# Altium PCB core.PcbDoc (continued)
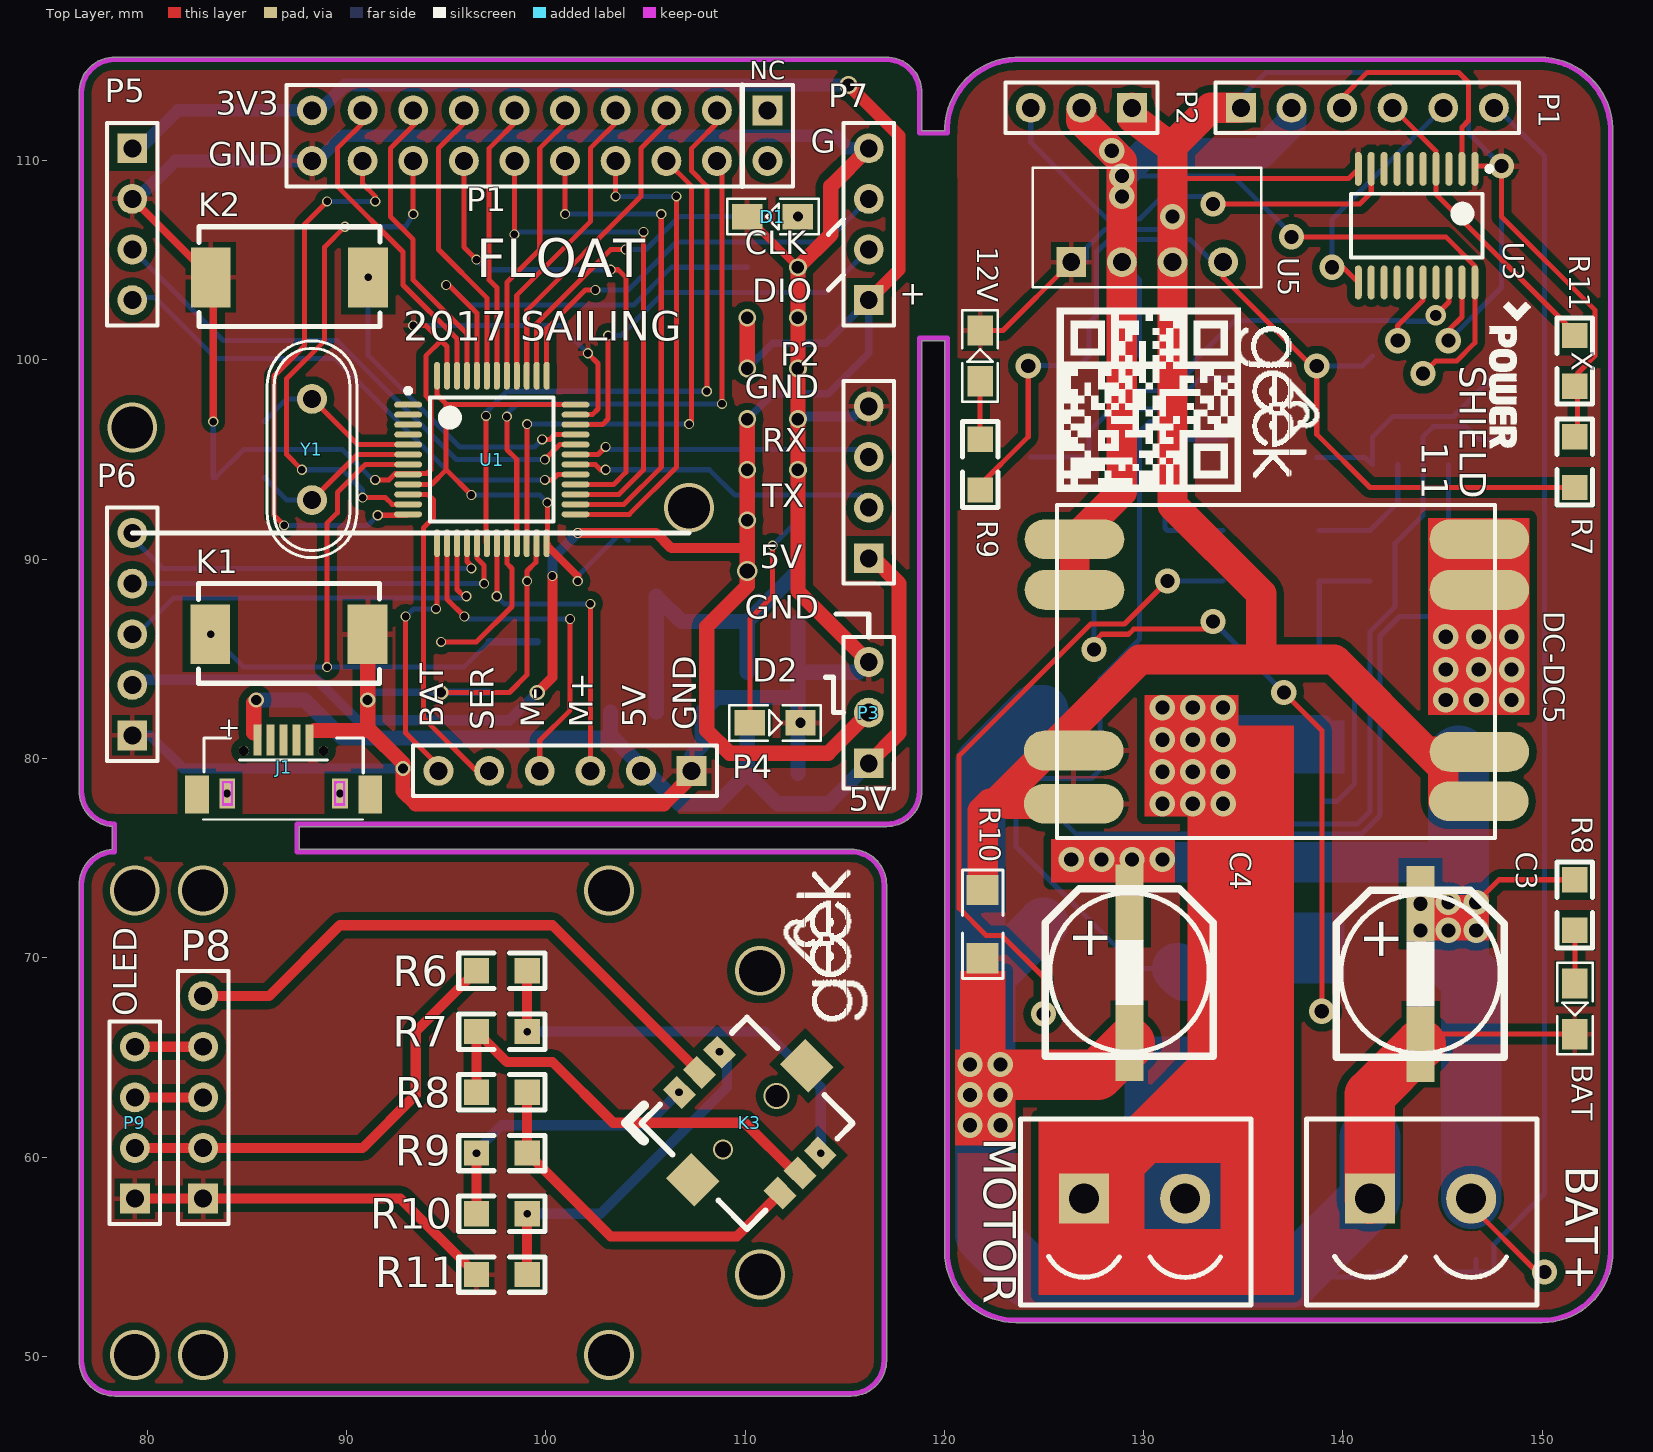
[diagram p0: Top Layer view]
## Nets (pads, with @x,y where several pads share a name; then routed paths per layer and width w, separated by ;. In a path a pad name is that pad's centre, name@x,y a point inside that pad or via, vN(x,y) a via of type N, cw(c..) or ccw(c..) an arc to the next point about the centre after c; other vN are vias at no path point) (continued)
  Top Layer w0.254: v1(99.822,96.012) 100.203,96.012 100.441,96.25 U1.33
  Bottom Layer w0.254: v1(91.085,104.14) 91.085,100.229 95.683,95.631 99.441,95.631 v1(99.822,96.012)
A15: R4.1@110.109,107.188 U1.38 | length 15.4
  Top Layer w0.254: U1.38 99.541,101.827 103.251,105.537 v1(104.013,105.537)
  Bottom Layer w0.254: v1(104.013,105.537) 105.029,105.537 106.68,107.188 R4.1@110.109,107.188
AGND: BAT+.1 BAT.2 C3.2@143.891,65.659 C4.2@129.286,65.72 Q2.3 Q4.3 R6.1@142.621,54.229 R10.2@121.92,69.977 | length 87.7
  Top Layer w0.254: C3.2@143.891,65.659 144.399,66.167 BAT.2 BAT.2@151.765,66.167
  Top Layer w2.54: 121.92,64.135 127.701,64.135 C4.2@129.286,65.72 ; BAT+.1 141.351,63.119 C3.2@143.891,65.659
  Bottom Layer w0.254: 137.414,53.975 141.478,53.975 141.732,54.229 R6.1@142.621,54.229
  Bottom Layer w2.54: Q2.3 122.047,68.834 121.793,68.58 121.793,79.756 124.46,82.423 Q4.3
  Bottom Layer w3.048: 122.047,68.834 122.047,63.119 122.047,56.134 124.206,53.975 137.414,53.975 BAT+.1 141.351,60.96
  other v2: 121.285,61.595 122.809,61.595 121.285,63.119 122.809,63.119 121.285,64.643 122.809,64.643
B0: P1.3@108.585,112.522 U1.18 | length 33.2
  Top Layer w0.254: v1(96.996,97.187) 96.996,90.845 U1.18 ; v1(108.077,98.425) 108.077,108.712 107.315,109.474 107.315,110.617 108.839,112.141 P1.3@108.839,112.522
  Bottom Layer w0.254: v1(96.996,97.187) 96.996,97.377 98.044,98.425 v1(108.077,98.425)
B1: P4.3 U1.19 | length 16.2
  Top Layer w0.254: v1(97.536,88.138) 97.541,88.143 U1.19 ; P4.3@102.235,79.121 P4.3 v1(102.235,87.757)
  Bottom Layer w0.254: v1(97.536,88.138) 97.917,87.757 v1(102.235,87.757)
B3: P1.5@106.045,112.522 U1.39 | length 16.3
  Top Layer w0.254: U1.39 99.041,102.47 104.775,108.204 104.775,110.617 106.299,112.141 P1.5@106.299,112.522
B4: P1.7 U1.40 | length 15.5
  Top Layer w0.254: U1.40 98.541,103.24 102.235,106.934 102.235,110.617 103.759,112.141 P1.7@103.759,112.522
B5: P1.9 U1.41 | length 14.6
  Top Layer w0.254: U1.41 98.041,103.883 99.695,105.537 99.695,110.617 101.219,112.141 P1.9@101.219,112.522
B6: P1.11 U1.42 | length 14.1
  Top Layer w0.254: U1.42 97.541,103.627 97.155,104.013 97.155,110.617 98.679,112.141 P1.11@98.679,112.522
B7: P1.13 U1.43 | length 15
  Top Layer w0.254: P1.13@96.139,112.522 96.139,112.141 94.615,110.617 94.615,105.537 97.041,103.111 U1.43
B8: P1.15 U1.45 | length 15.5
  Top Layer w0.254: P1.15@93.599,112.522 93.599,112.014 92.202,110.617 92.202,107.188 93.345,106.045 93.345,104.013 96.041,101.317 U1.45
B9: P1.17 U1.46 | length 16.4
  Top Layer w0.254: P1.17@91.059,112.522 91.059,112.141 89.535,110.617 89.535,108.712 92.837,105.41 92.837,103.759 95.541,101.055 U1.46
B10: P1.4@108.585,109.982 U1.21 | length 30
  Top Layer w0.254: v1(98.044,97.155) 98.044,95.504 98.541,95.007 U1.21 ; P1.4@108.585,109.982 108.839,109.728 v1(108.839,97.79)
  Bottom Layer w0.254: v1(98.044,97.155) 98.044,97.282 98.552,97.79 v1(108.839,97.79)
B11: P1.6@106.045,109.982 U1.22 | length 27.9
  Top Layer w0.254: U1.22 99.06,90.819 v1(99.06,96.774) ; P1.6@106.045,109.982 107.315,108.712 107.315,96.901 v1(107.188,96.774)
  Bottom Layer w0.254: v1(99.06,96.774) v1(107.188,96.774)
B12: P1.8 U1.25 | length 24.5
  Top Layer w0.254: U1.25 104.188,92.25 106.553,94.615 v1(106.553,108.204) ; v1(103.505,108.204) P1.8
  Bottom Layer w0.254: v1(103.505,108.204) v1(106.553,108.204)
B13: P1.10 U1.26 | length 25.3
  Top Layer w0.254: v1(100.965,107.315) P1.10 ; U1.26 103.926,92.75 105.791,94.615 v1(105.791,107.315)
  Bottom Layer w0.254: v1(100.965,107.315) v1(105.791,107.315)
B14: P1.12 U1.27 | length 25.9
  Top Layer w0.254: v1(98.425,106.299) P1.12@98.425,109.855 ; U1.27 103.664,93.25 104.902,94.488 v1(104.902,106.426)
  Bottom Layer w0.254: v1(98.425,106.299) 98.552,106.426 v1(104.902,106.426)
B15: P1.14 U1.28 | length 25.9
  Top Layer w0.254: P1.14@96.139,109.982 95.885,109.728 95.885,105.664 v1(96.52,105.029) ; U1.28 103.402,93.75 104.013,94.361 104.013,104.14 103.632,104.521 v1(103.251,104.521)
  Bottom Layer w0.254: v1(96.52,105.029) 97.028,104.521 v1(103.251,104.521) v1@103.378,104.521
BAT: BAT+.2 C3.1@143.891,72.71 C4.1@129.286,72.771 DC-DC5.7 DC-DC5.8 Q1.1 Q3.1 R5.2@150.114,54.229 R8.1@151.638,73.914 | length 52.9
  Top Layer w0.254: BAT+.2 146.431,57.531 149.733,54.229 v2(150.114,54.229) ; v2(146.685,72.771) 147.828,73.914 151.638,73.914 R8.1@151.765,73.914
  Bottom Layer w2.032: v2@126.365,74.803 130.937,74.803 145.796,74.803
  Bottom Layer w3.048: Q3.1 145.796,74.803 145.796,72.71 Q1.1 146.431,68.961 BAT+.2
  other v2: 143.891,71.374 145.288,71.374 146.685,71.374 143.891,72.71 145.288,72.771 126.365,74.93 127.889,74.93 129.413,74.93 130.937,74.93 145.161,82.931 146.685,82.931 148.463,82.931 145.161,84.455 146.812,84.455 148.463,84.455 145.161,86.106 146.812,86.106 148.463,86.106
BAT_AD: P1.6@147.574,112.649 R5.1@147.574,54.229 R6.2@145.161,54.229 | length 64.1
  Bottom Layer w0.254: R6.2@145.161,54.229 146.685,54.229 ; 146.685,54.864 146.685,54.229 ; P1.6@147.574,113.157 147.574,112.776 150.114,110.236 150.114,58.166 147.574,55.626 147.574,54.229 146.685,54.229
CLK: P7.3 U1.37 | length 21.2
  Top Layer w0.254: U1.37 100.041,101.565 101.981,103.505 v1(102.489,103.505)
  Bottom Layer w0.254: v1(102.489,103.505) 104.14,103.505 106.553,105.918 114.046,105.918 P7.3
DGND: 12V.2 DC-DC5.3 DC-DC5.4 DC-DC5.5 DC-DC5.6 P1.1@134.874,112.649 P2.1@129.413,112.649 R7.1@151.638,96.139 R10.1@121.92,73.397 R11.1@151.638,98.679 U1.4@131.064,100.203 U2.4 U3.1 U3.10 U3.19 U5.1 U5.3 | length 150.4
  Top Layer w0.254: 12V.2@121.539,101.473 12V.2 122.936,101.473 U5.1 ; 131.445,109.093 140.275,109.093 U3.10 ; v2(145.288,100.965) 145.288,101.473 145.968,102.153 U3.19 ; U3.1 146.76,109.728 v2(147.955,109.728) 147.955,107.188 152.654,102.489 152.654,100.203 151.765,99.314 R7.1@151.765,96.139
  Top Layer w1.524: R10.1@121.92,73.397 121.92,77.343 122.301,77.724 122.555,77.724 129.794,84.963 135.89,84.963 ; 123.19,77.724 DC-DC5.4 ; P2.1@129.413,112.649 129.413,112.141 131.445,110.617 131.445,109.093 v2(131.445,107.188) U5.3 131.445,92.71 135.89,88.265 135.89,84.963 ; 131.636,110.934 133.35,112.649 P1.1@134.874,112.649 ; DC-DC5.5 145.034,77.851 145.034,79.502 144.208,80.328 ; DC-DC5.6 144.208,80.328 ; 135.89,84.963 139.573,84.963 144.208,80.328
  Bottom Layer w0.254: U5.1 127.127,104.902 127.127,105.62 128.06,106.553 130.81,106.553 v2(131.445,107.188) ; U1.4@131.127,101.155 131.445,101.473 U5.3 ; P1.1@134.874,112.649 134.874,113.157 136.144,114.427 145.796,114.427 146.304,113.919 146.304,111.379 v2(147.955,109.728) 147.955,103.632 v2(145.288,100.965)
DIO: P7.2 U1.34 | length 20.8
  Top Layer w0.254: U1.34 102.846,96.75 103.124,97.028 v1(103.124,101.219)
  Bottom Layer w0.254: v1(103.124,101.219) 103.759,101.219 105.918,103.378 114.046,103.378 P7.2
GND: C1.1@83.312,96.901 C2.1@83.312,94.107 C3.1@97.155,83.312 C4.1@112.649,79.248 C5.1 C6.1 C7.1 C8.1 C9.1 C10.1 C11.1 C12.1 D1.2@110.109,107.188 D2.2@112.776,81.788 J1.5 K1.1 K2.2 P1.20 P2.4 P3.3 P4.1 P5.2 P6.1 P7.4 R1.1@112.649,104.648 R3.2@94.742,83.312 U1.8@93.091,94.25 U1.23 U1.35 U1.47 U2.1@107.837,82.338 | length 205.8
  Top Layer w0.254: v1(91.44,93.98) 92.128,93.98 92.443,94.295 94.041,94.295 94.234,94.488 94.234,97.941 93.98,98.195 93.98,100.203 94.742,100.965 ; v1(93.345,101.727) 93.98,101.727 94.742,100.965 ; v5(94.742,83.312) 98.171,83.312 99.06,84.201 v1(99.06,88.9) 99.06,89.408 99.496,89.844 99.496,90.755 U1.23 ; U1.47 95.041,100.666 94.742,100.965 ; U1.35 102.33,97.25 102.616,97.536 102.616,99.822 v1(102.108,100.33)
  Top Layer w0.381: P5.2 K2.2 ; v1(83.312,96.901) K2.2@83.312,104.013 ; D1.2@110.109,107.188 v3(112.649,104.648)
  Top Layer w0.635: P5.2@79.121,108.077 P5.2 ; K2.2 K2.2@83.312,104.013
  Top Layer w0.762: 88.392,81.407 91.186,81.407 ; K1.1 v5(91.059,82.931) 91.059,81.534 91.186,81.407 ; P4.1@107.315,79.121 105.918,77.724 93.472,77.724 92.837,78.359 v5(92.837,79.502) 92.837,79.756 91.186,81.407 ; P3.3 112.649,88.392 v3(112.649,94.488) v3(112.649,97.028) v3(112.649,99.568) v3(112.649,102.108) v3(112.649,104.648) 114.3,106.299 114.3,108.712 P7.4
  Bottom Layer w0.254: v1(83.312,96.901) 83.312,94.107 83.439,94.107 84.836,95.504 89.789,95.504 91.313,93.98 v1(91.44,93.98) ; v1(93.345,101.727) 100.711,101.727 v1(102.108,100.33)
  Bottom Layer w0.381: v5(91.059,82.931) 91.44,83.312 v5(94.742,83.312) C3.1@97.155,83.312
  Bottom Layer w0.508: P6.1@78.994,81.153 P6.1 80.137,81.153 81.788,79.502 v5(92.837,79.502) ; v3(112.649,97.028) 112.776,97.155 115.443,97.155 115.951,97.663 P2.4
  Bottom Layer w0.635: P5.2@79.184,108.14 79.566,108.14 81.407,109.982 P1.20 88.519,109.982 89.789,111.252 114.554,111.252 115.189,110.617 P7.4
  Bottom Layer w0.762: P4.1@107.315,79.121 P4.1 107.315,80.123 107.837,80.645 107.837,82.338 108.557,83.058 112.649,83.058 ; C4.1@112.649,79.248 C5.1 112.649,83.058 ; C7.1 C6.1 ; P3.3 115.697,84.328 C6.1 ; 112.649,83.058 C6.1
  other v5: 112.776,81.788
HO_A_1: D3.2 R1.1@127.508,91.44 U1.7@128.524,94.742 | length 6.4
  Bottom Layer w0.254: D3.2 127.508,91.44 128.524,92.456 U1.7@128.524,94.742
HO_A_2: D5.2 R3.2@138.811,91.44 U2.7 | length 6.4
  Bottom Layer w0.254: R3.2@138.811,91.44 D5.2 142.748,92.837 U2.7
LO_A_1: D4.2 R2.1@133.985,91.44 U1.5@131.064,94.742 | length 6.1
  Bottom Layer w0.254: U1.5@131.064,94.742 131.064,91.567 D4.2 R2.1@133.985,91.44
LO_A_2: D6.2 R4.2@148.209,91.44 U2.5 | length 6.1
  Bottom Layer w0.254: U2.5 145.288,91.694 D6.2 R4.2@148.209,91.44
MOTORA1: C1.2@134.112,96.012 MOTOR.2 Q1.3 Q2.1 U1.6@129.794,94.742 | length 50.1
  Bottom Layer w0.254: Q2.1 129.699,69.469 123.587,75.581 123.587,78.994 127.381,78.994 127.818,79.431 127.818,84.003 129.794,85.979 129.794,94.742 129.794,96.393 130.302,96.901 131.064,96.901 131.953,96.012 C1.2@134.112,96.012
  Bottom Layer w0.762: Q2.1 134.112,71.882 Q1.3
  Bottom Layer w2.54: Q2.1 Q2.1@132.08,69.088
MOTORA2: C2.2@148.336,96.012 MOTOR.1 Q3.3 Q4.1 U2.6 | length 57.2
  Top Layer w2.54: MOTOR.1 133.477,64.389 133.477,81.915
  Bottom Layer w0.254: 140.716,76.708 141.351,77.343 141.351,86.36 142.621,87.63 142.621,90.805 144.018,92.202 U2.6 144.018,96.139 144.526,96.647 146.177,96.647 146.812,96.012 C2.2@148.336,96.012
  Bottom Layer w0.762: Q4.1@134.112,81.788 Q3.3@139.065,81.788
  other v2: 130.937,77.724 132.461,77.724 133.985,77.724 130.937,79.333 132.461,79.333 133.985,79.333 130.937,80.941 132.461,80.941 133.985,80.941 130.937,82.55 132.461,82.55 133.985,82.55
NetC1_1: C1.1@134.112,99.062 D1.2@124.333,95.123 U1.8@127.254,94.742 | length 12.7
  Bottom Layer w0.254: D1.2@124.333,95.123 126.873,95.123 127.254,94.742 127.254,96.393 128.397,97.536 131.318,97.536 132.844,99.062 C1.1@134.112,99.062
NetC1_2: C1.2@85.852,96.901 U1.5@93.091,95.75 Y1.2 | length 8.7
  Top Layer w0.254: Y1.2 90.559,95.75 U1.5@93.091,95.75
  Bottom Layer w0.254: C1.2@85.852,96.901 86.995,98.044 Y1.2
NetC2_1: C2.1@148.336,99.062 D2.2@138.684,95.095 U2.8 | length 12.4
  Bottom Layer w0.254: D2.2@138.684,95.095 141.125,95.095 U2.8 141.478,96.139 142.494,97.155 145.542,97.155 147.449,99.062 C2.1@148.336,99.062
NetC2_2: C2.2@85.852,94.107 U1.6@93.091,95.25 Y1.1 | length 8.7
  Top Layer w0.254: Y1.1 90.551,95.25 U1.6@93.091,95.25
  Bottom Layer w0.254: C2.2@85.852,94.107 86.995,92.964 Y1.1
NetC3_2: C3.2@97.155,85.852 K1.2 R2.2@99.568,85.852 U1.7@93.091,94.75 | length 30.7
  Top Layer w0.254: v1(89.027,84.582) 89.027,91.821 89.535,92.329 89.535,93.345 90.94,94.75 U1.7@93.091,94.75
  Bottom Layer w0.254: v1(83.185,86.233) 84.836,84.582 v1(89.027,84.582) 95.885,84.582 C3.2@97.155,85.852
  Bottom Layer w0.381: C3.2@97.155,85.852 R2.2@99.568,85.852
NetC6_2: C6.2 C7.2 F1.1 U2.2@105.537,82.338 U2.2@105.537,88.138 | length 17
  Bottom Layer w0.762: U2.2@105.537,82.338 105.537,88.138 106.807,86.868 C7.2 ; C6.2 C7.2 ; F1.1 C7.2
NetC12_2: C12.2 L1.1 U1.9 U1.24 U1.36 U1.48 | length 27.8
  Top Layer w0.254: U1.9 94.258,93.75 94.996,94.488 ; U1.48 94.541,98.245 94.996,97.79 ; v1(96.266,93.218) 94.996,94.488 ; U1.24@100.076,90.748 v1(100.076,92.837) ; U1.36 95.036,97.75 94.996,97.79 ; v1(101.6,88.9) 101.6,89.154 ; 94.996,94.488 94.996,97.79
  Top Layer w0.381: U1.24@100.076,90.748 100.076,90.678 101.6,89.154
  Bottom Layer w0.254: v1(96.266,93.218) 99.695,93.218 v1(100.076,92.837) ; v1(101.6,88.9) 101.6,89.154 103.759,91.313 L1.1@104.14,90.932
NetD1_1: D1.1@112.649,107.188 R4.2@112.649,107.188
  other v5: 112.649,107.188
NetD2_1: D2.1@110.236,81.788 R5.2@112.649,91.948 | length 11.2
  Top Layer w0.254: D2.1@110.236,81.788 110.236,86.995 111.379,88.138 v1(111.379,90.678)
  Bottom Layer w0.254: v1(111.379,90.678) R5.2@112.649,91.948
NetD3_1: D3.1 Q1.2 R1.2@127.508,88.9 | length 34.9
  Top Layer w0.254: v2(127.508,85.471) 127.508,85.852 127.889,86.233 129.242,86.233 129.496,86.487 133.477,86.487 v2(133.477,86.868) ; v2(137.033,83.312) 138.938,81.407 v2(138.938,67.31)
  Bottom Layer w0.254: D3.1 127.508,88.9 v2(127.508,85.471) ; v2(133.477,86.868) v2(137.033,83.312)
NetD4_1: D4.1 Q2.2 R2.2@133.985,88.9 | length 32
  Top Layer w0.254: v2(124.968,67.183) 124.968,69.028 122.878,71.118 122.1,71.118 120.739,72.479 120.739,80.139 127.341,86.741 129.032,86.741 v2(131.191,88.9)
  Bottom Layer w0.254: v2(131.191,88.9) R2.2@133.985,88.9
NetD5_1: D5.1 Q3.2 R3.1@138.811,88.9 | length 15.3
  Bottom Layer w0.254: Q3.2 139.7,77.851 140.589,78.74 140.589,83.439 138.811,85.217 138.811,88.9 D5.1
NetD6_1: D6.1 Q4.2 R4.1@148.209,88.9 | length 35.3
  Bottom Layer w0.254: Q4.2 126.619,76.2 140.926,76.2 141.859,77.133 141.859,86.15 142.831,87.122 145.214,87.122 145.542,87.45 D6.1 R4.1@148.209,88.9
NetD7_1: BAT.1 R8.2@151.638,71.374 | length 2.7
  Top Layer w0.254: BAT.1@151.638,68.834 151.638,71.374 R8.2@151.638,71.501
NetD8_1: 12V.1 R9.2@121.793,96.012 | length 2.9
  Top Layer w0.254: R9.2@121.793,96.012 12V.1
NetK3_1: K3.1 R8.2@99.06,63.246 R9.1@99.06,60.198 | length 18.4
  Top Layer w0.508: R8.2@99.06,63.246 99.06,60.198 103.251,56.007 109.577,56.007 K3.1
NetK3_2: K3.2 R7.2@96.52,66.294 R8.1@96.52,63.246 | length 22.2
  Top Layer w0.508: R8.1@96.52,63.246 96.52,66.294 98.044,64.77 100.33,64.77 103.378,61.722 109.982,61.722 112.51,59.194 K3.2
NetK3_3: K3.3 R6.2@99.06,69.342 R7.1@99.06,66.294 | length 22.2
  Top Layer w0.508: v1(99.06,66.294) R6.2@99.06,69.342
  Bottom Layer w0.508: v1(99.06,66.294) 110.998,66.294 113.792,63.5 v1(113.792,60.198)
NetK3_4: K3.4 R9.2@96.52,60.198 R10.1@96.52,57.15 | length 14.5
  Top Layer w0.508: R10.1@96.52,57.15 v1(96.52,60.198)
  Bottom Layer w0.508: v1(96.52,60.198) 96.52,60.325 97.79,61.595 105.029,61.595 v1(106.68,63.246)
NetK3_6: K3.6 R10.2@99.06,57.15 R11.1@99.06,54.102 | length 17.6
  Top Layer w0.508: R11.1@99.06,54.102 v1(99.06,57.15)
  Bottom Layer w0.508: v1(99.06,57.15) 102.743,57.15 109.093,63.5 109.093,64.897 v1(108.712,65.278)
NetR1_2: R1.2@110.109,104.648 U1.44 | length 21.6
  Top Layer w0.254: v1(94.996,103.759) 95.123,103.759 96.541,102.341 U1.44
  Bottom Layer w0.254: v1(94.996,103.759) 95.123,103.759 96.139,102.743 104.394,102.743 106.299,104.648 R1.2@110.109,104.648
NetR3_1: R3.1@94.742,85.852 U1.20 | length 7.6
  Top Layer w0.254: v1(94.742,85.852) 96.52,85.852 98.298,87.63 98.298,89.535 98.041,89.792 U1.20
PWM1: P1.3@139.954,112.649 U3.2 | length 12.1
  Top Layer w0.254: P1.3@139.954,112.649 139.954,113.157 141.224,114.427 145.796,114.427 146.304,113.919 146.304,112.014 145.968,111.678 U3.2
PWM2: P1.4@142.494,112.649 R11.2@151.638,101.219 U3.4 | length 15.8
  Top Layer w0.254: P1.4@142.494,113.157 142.494,112.649 144.668,110.475 U3.4 144.668,108.316 R11.2@151.765,101.219
PWM3: P1.5@145.034,112.649 U3.11 | length 12.5
  Top Layer w0.254: v2(139.446,104.648) 140.006,104.648 U3.11
  Bottom Layer w0.254: v2(139.446,104.648) 139.446,107.061 145.034,112.649 P1.5@145.034,113.157
PWM_MOTORA1: U1.2@128.524,100.203 U3.18 | length 21.6
  Top Layer w0.254: v9(144.653,102.235) 145.318,102.9 U3.18
  Bottom Layer w0.254: U1.2@128.524,100.203 128.524,98.425 128.567,98.468 131.361,98.468 132.606,99.713 132.606,100.02 134.567,101.981 143.169,101.981 143.212,101.938 144.356,101.938 v9(144.653,102.235)
PWM_MOTORA2: U2.2@142.748,100.203 U3.16 | length 3.4
  Top Layer w0.254: v2(142.748,100.965) 142.748,101.727 144.018,102.997 U3.16
PWM_SERVO: P2.3@124.333,112.649 U3.9 | length 23
  Top Layer w0.254: v2(133.477,107.823) 140.843,107.823 141.418,108.398 U3.9
  Bottom Layer w0.254: P2.3@124.333,113.157 124.333,112.649 124.333,110.906 128.178,107.061 129.794,107.061 130.937,108.204 133.096,108.204 v2(133.477,107.823)
VCC5: C4.2@110.109,79.248 C5.2 DC-DC5.1 DC-DC5.2 J1.1 P1.2@137.414,112.649 P2.1@116.205,90.043 P2.2@126.873,112.649 P3.1 P4.2 U1.3@129.794,100.203 U2.3 U3.20 U5.2 | length 122.3
  Top Layer w0.254: v2(137.414,106.172) 145.161,106.172 146.618,104.715 U3.20 146.618,100.858 145.709,99.949 144.653,99.949 v2(144.018,99.314)
  Top Layer w0.762: J1.1@85.344,81.28 85.344,82.804 v5(85.471,82.931) ; P3.1 117.729,81.28 117.729,88.773 116.459,90.043 P2.1@116.205,90.043
  Top Layer w1.524: DC-DC5.2 DC-DC5.1 128.905,93.374 U5.2 v2(128.905,108.204) v2(128.905,109.22) 128.905,109.982 v2(128.397,110.49) 126.873,112.014 P2.2@126.873,112.522
  Bottom Layer w0.254: U5.2 129.794,104.013 U1.3@129.794,100.203 ; v2(128.905,109.22) 134.493,109.22 137.541,106.172 v2(137.414,106.172)
  Bottom Layer w0.762: v5(85.471,82.931) 87.884,82.931 89.789,81.026 103.251,81.026 ; U2.3@103.237,82.338 103.251,82.324 103.251,81.026 ; C5.2 C4.2@110.109,79.248 ; P3.1 114.173,77.724 111.633,77.724 C4.2@110.109,79.248 ; 103.251,81.026 103.378,81.026 106.006,78.398 106.006,78.394 106.676,77.724 108.585,77.724 C4.2@110.109,79.248
  Bottom Layer w1.524: v2@128.143,110.744 v2(128.397,110.49) v2@128.651,110.236 ; v2(128.905,108.204) v2(128.905,109.22) 130.048,110.363 135.89,110.363 137.414,111.887 P1.2@137.414,112.649
VCC12: D1.1@124.333,99.723 D2.1@138.684,99.695 R7.2@151.638,93.599 R9.1@121.793,93.472 U1.1@127.254,100.203 U2.1@141.478,100.203 U5.4 | length 50.8
  Top Layer w0.254: R9.1@121.539,93.472 124.206,96.139 v2(124.206,99.695) ; U5.4 133.985,104.14 138.239,99.885 v2@138.748,99.885 ; v2(138.684,99.695) 138.684,96.266 141.351,93.599 151.638,93.599 R7.2@151.765,93.599
  Bottom Layer w0.254: D1.1@124.333,99.723 126.774,99.723 127.254,100.203 127.254,101.854 127.635,102.235 127.635,105.41 128.27,106.045 132.334,106.045 133.477,104.902 U5.4 ; v2(138.684,99.695) 140.97,99.695 U2.1@141.478,100.203
VCC_3.3: C8.2 C9.2 C10.2 C11.2 F1.2 L1.2 P1.19 P3.2 P5.1 P6.2 P7.1 R2.1@99.568,83.312 R5.1@110.109,91.948 | length 136.4
  Top Layer w0.254: v5(99.568,83.312) v5@99.568,83.566
  Top Layer w0.508: v5(99.568,83.312) 100.33,84.074 v1(100.33,89.154) ; v1(101.6,91.313) 105.537,91.313 106.299,90.551 110.109,90.551
  Top Layer w0.635: v3(115.189,113.792) 117.729,111.252 117.729,104.521 P7.1
  Top Layer w0.762: v3(110.109,97.028) v3(110.109,94.488) v3(110.109,91.948) 110.109,90.551 v6(110.109,89.408) 110.109,88.646 108.077,86.614 108.077,81.407 109.22,80.264 114.173,80.264 P3.2 ; v3(110.109,99.568) v3(110.109,102.108)
  Bottom Layer w0.254: v1(101.6,91.313) L1.2@101.981,91.313
  Bottom Layer w0.381: v3(110.109,97.028) 111.379,98.298 114.173,98.298 116.205,100.33 P7.1 114.046,100.838 111.379,100.838 v3(110.109,99.568)
  Bottom Layer w0.508: P6.2@78.994,83.693 P6.2 79.502,83.947 88.513,83.947 90.545,81.915 98.171,81.915 v5(99.568,83.312) ; v1(100.33,89.154) 100.33,90.043 v1(101.6,91.313)
  Bottom Layer w0.635: P5.1@79.121,110.617 P5.1 79.629,110.617 81.534,112.522 P1.19 88.646,112.522 89.916,113.792 v3(115.189,113.792)
pads on no net: J1. J1.2 J1.3 J1.4 J1.6 K3.0 P1.1@111.125,112.522 P1.2@111.125,109.982 U1.1@93.091,97.75 U1.2@93.091,97.25 U1.3@93.091,96.75 U1.4@93.091,96.25 U3.3 U3.5 U3.6 U3.7 U3.8 U3.12 U3.13 U3.14 U3.15 U3.17
copper on no net:
  other v4: 79.375,50.072 82.804,50.072 103.175,50.072 110.744,54.102 110.744,69.342 79.375,73.372 82.804,73.372 103.175,73.372 107.188,92.583 79.248,96.613
  other v7: 108.892,60.378
  other v8: 111.58,63.066

## Polygon pours and split planes (outlines as drawn)
(GND) on Top Layer "Top Layer-No Net" (solid, remove dead copper, pour order 8): 76.2,75.057 117.475,75.057 117.475,47.752 76.2,47.752
GND on Top Layer "Top Layer-No Net" (solid, remove dead copper, pour order 68): 76.2,115.57 119.38,115.57 119.38,77.216 76.2,77.216
AGND on Top Layer "Top Layer-No Net" (solid, remove dead copper, pour order 88): 120.65,115.57 153.67,115.57 153.67,51.435 120.65,51.435
DGND on Top Layer "Top Layer-No Net" (solid, remove dead copper, pour order 94): 120.65,115.57 153.67,115.57 153.67,51.435 120.65,51.435
(GND) on Bottom Layer "Top Layer-No Net" (solid, remove dead copper, pour order 10): 76.2,75.057 117.475,75.057 117.475,47.752 76.2,47.752
GND on Bottom Layer "Top Layer-No Net" (solid, remove dead copper, pour order 70): 76.2,115.57 119.38,115.57 119.38,77.216 76.2,77.216
AGND on Bottom Layer "Top Layer-No Net" (solid, remove dead copper, pour order 90): 120.65,115.57 153.67,115.57 153.543,115.443 153.543,51.435 120.65,51.435
DGND on Bottom Layer "Top Layer-No Net" (solid, remove dead copper, pour order 92): 120.65,115.57 153.67,115.57 153.67,51.435 120.65,51.435

## Keep-outs
Keep-Out Layer:
  lines w0.254: 120.142,111.379 120.142,111.633 ; 123.571,115.062 149.86,115.062 ; 123.698,115.062 ccw(c123.698,111.506) 120.144,111.379 118.745,111.379 118.745,113.411 ccw(c117.094,113.411) 117.094,115.062 78.359,115.062 ccw(c78.359,113.411) 76.708,113.411 76.708,111.76 76.708,78.359 ccw(c78.359,78.359) 78.359,76.708 ; 149.86,115.064 cw(c149.86,111.506) 153.416,111.633 153.416,55.245 cw(c149.987,55.245) 149.987,51.816 123.571,51.816 cw(c123.571,55.245) 120.142,55.245 120.142,101.092 118.745,101.092 118.745,78.359 cw(c117.094,78.359) 117.094,76.708 115.57,76.708 95.25,76.708 87.503,76.708 87.503,75.311 115.316,75.311 cw(c115.316,73.66) 116.967,73.66 116.967,49.784 cw(c115.316,49.784) 115.316,48.133 78.359,48.133 cw(c78.359,49.784) 76.708,49.784 76.708,73.66 cw(c78.359,73.66) 78.359,75.311 ; 78.359,75.311 78.359,76.708 ; 78.359,75.311 78.359,76.708

## Other copper
Top Layer:
  region net AGND: 120.523,65.405 120.523,60.579 123.571,60.579 123.571,65.405
  region net BAT: 125.349,75.946 125.349,73.787 131.572,73.787 131.572,75.946
  region net BAT: 144.526,73.152 144.526,70.866 147.32,70.866 147.32,73.152
  region net MOTORA2: 130.048,83.185 130.048,77.089 134.747,77.089 134.747,83.185
  region net AGND: 120.777,69.342 120.777,65.278 123.063,65.278 123.063,69.342
  region net BAT: 144.272,92.075 144.272,82.169 149.352,82.169 149.352,92.075
  region net MOTORA2: 133.858,81.661 133.858,53.086 137.541,53.086 137.541,81.661
  region net MOTORA2: 124.714,56.388 124.714,53.086 134.62,53.086 134.62,56.388
  region net MOTORA2: 124.714,61.976 124.714,56.261 130.048,56.261 130.048,61.976
  region net MOTORA2: 131.826,63.881 131.826,59.69 135.001,59.69 135.001,63.881
  region net MOTORA2: 129.413,61.849 129.413,59.69 131.826,59.69 131.826,61.849
Bottom Layer:
  region net MOTORA2: 135.001,81.915 135.001,79.248 140.081,79.248 140.081,81.915
  region net MOTORA1: 135.763,72.263 135.763,68.707 140.081,68.707 140.081,72.263
  region net MOTORA2: 134.747,76.835 134.747,76.581 140.716,76.581 140.716,76.835
  region net BAT: 144.272,86.741 144.272,83.566 149.352,83.566 149.352,86.741
  region net MOTORA1: 129.032,66.04 129.032,56.388 135.255,56.388 135.255,66.04
  region net MOTORA1: 135.001,72.898 135.001,56.388 136.779,56.388 136.779,72.898

## Silkscreen, mask and mechanical layers (free items; w line width, h text height)
Top Overlay:
  drawing of 3232 lines, arcs and shapes, not listed
  text "G" at 113.284,109.982 h2.03
  text "CLK" at 109.982,104.902 h2.03
  text "FLOAT" at 96.52,103.505 h3.3
  text "DIO" at 110.363,102.489 h2.03
  text "+" at 117.729,102.362 h2.03
  text "2017 SAILING" at 92.837,100.457 h2.54
  text "SHIELD" at 145.415,99.695 h2.29 r270
  text "X" at 151.13,99.441 h1.78 r270
  text "GND" at 109.982,97.663 h2.03
  text "1.1" at 143.51,95.885 h2.29 r270
  text "RX" at 110.871,94.996 h2.03
  text "TX" at 110.871,92.202 h2.03
  text "5V" at 110.744,89.154 h2.03
  text "GND" at 109.982,86.614 h2.03
  text "BAT" at 95.25,81.534 h2.03 r90
  text "M-" at 100.33,81.534 h2.03 r90
  text "M+" at 102.743,81.534 h2.03 r90
  text "5V" at 105.41,81.534 h2.03 r90
  text "SER" at 97.79,81.407 h2.03 r90
  text "GND" at 107.95,81.407 h2.03 r90
  text "5V" at 115.189,76.962 h2.03
  text "OLED" at 79.883,67.056 h2.03 r90
Bottom Overlay:
  drawing of 4345 lines, arcs and shapes, not listed
  text "3V3" at 84.201,109.982 h2.03
  text "GND" at 129.921,108.077 h1.78 r270
  text "GND" at 134.239,108.077 h1.78 r270
  text "PWM" at 122.682,107.696 h1.78 r270
  text "BAT_AD" at 149.225,107.696 h1.78 r270
  text "GND" at 84.582,107.442 h2.03
  text "VCC5" at 126.238,107.188 h1.78 r270
  text "VCC5" at 136.906,107.188 h1.78 r270
  text "SCL" at 84.582,104.902 h2.03
  text "PWM_MOT-" at 141.986,102.489 h1.78 r270
  text "PWM_Servo" at 144.526,102.489 h1.78 r270
  text "SDA" at 84.582,102.362 h2.03
  text "PWM_MOT+" at 139.319,102.362 h1.78 r270
  text "KEY" at 84.201,90.678 h2.03
  text "SDA" at 84.201,88.138 h2.03
  text "SCL" at 84.201,85.598 h2.03
  text "3V3" at 83.82,83.058 h2.03
  text "GND" at 84.201,80.518 h2.03
Bottom Solder:
  region: 135.128,72.263 135.128,68.707 140.081,68.707 140.081,72.263
  region: 135.001,81.915 135.001,79.248 140.081,79.248 140.081,81.915
  lines w0.762: 134.112,81.788 139.065,81.788
  lines w2.54: 121.793,68.58 121.793,79.756 124.587,82.55 ; 122.047,68.834 124.968,71.755 ; 124.46,82.423 124.968,82.423
  lines w3.048: 122.047,68.834 122.047,56.134 124.206,53.975 137.414,53.975 141.351,57.912 ; 141.351,59.69 141.351,58.547 141.351,60.96 ; 145.796,69.723 145.796,74.93 ; 145.796,74.422 145.796,79.756 ; 146.431,57.912 146.431,68.961
Mechanical 1:
  lines w0.025: 79.375,57.912 79.375,50.072 103.175,50.072 ; 79.375,65.532 79.375,73.372 103.175,73.372 ; 82.804,50.072 82.804,57.912 ; 82.804,65.532 82.804,73.372

## Text inside footprints (layer, text, board x,y; h text height)
C3: Top Overlay "+" at 141.073,72.069 h2 r270
C4: Top Overlay "+" at 126.468,72.131 h2 r270
J1: Top Overlay "+" at 83.537,81.082 h1
P1: Top Overlay "GND" at 83.058,109.347 h2.03; Top Overlay "3V3" at 83.439,111.887 h2.03; Top Overlay "NC" at 110.236,113.792 h1.52